# Altium PCB Shield.PcbDoc
Units mil, origin at the board's own origin, x right, y up, seen from the top; angles counter-clockwise.
Board outline 2700 x 2100 mil, 2 copper layers (Top Layer, Bottom Layer); 43 components, 53 nets, 193 pads, 95 vias.
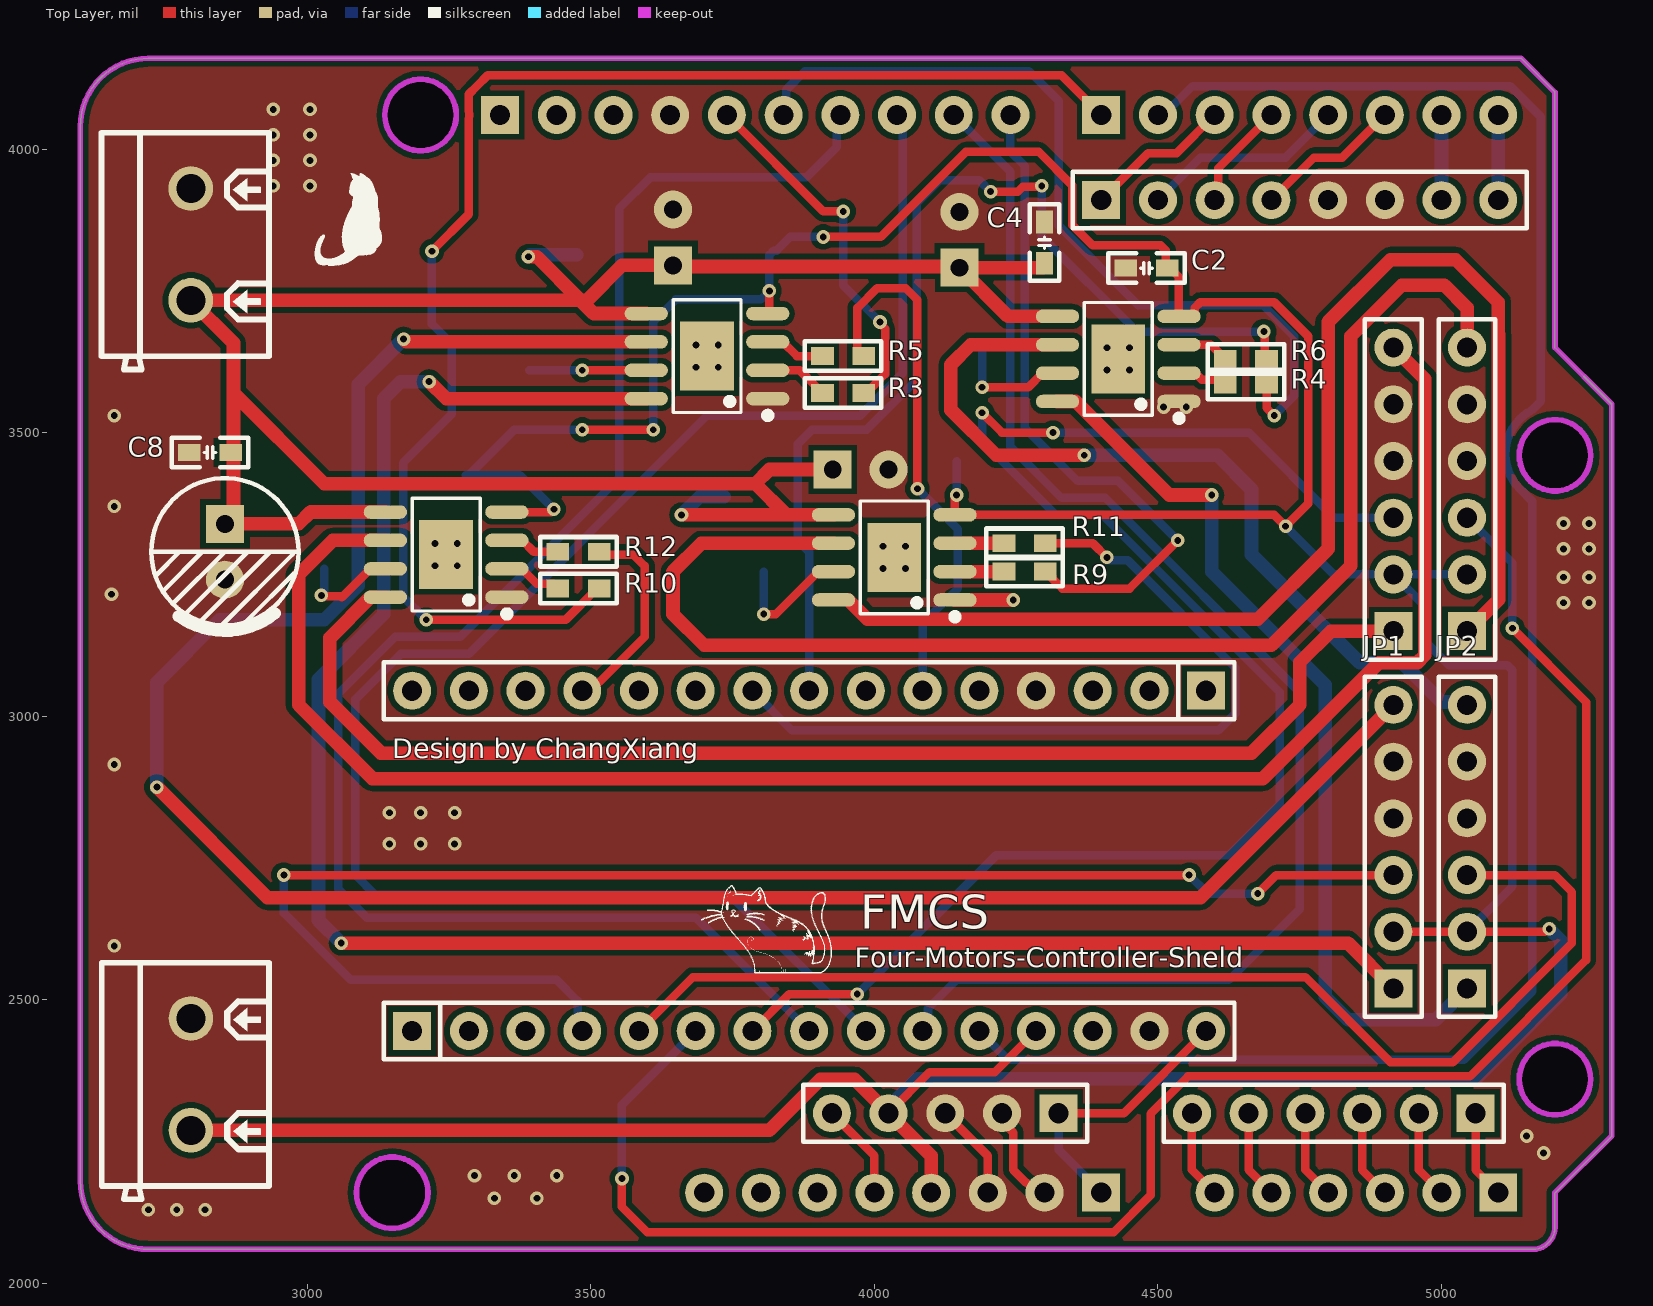
[diagram p0: Top Layer view]
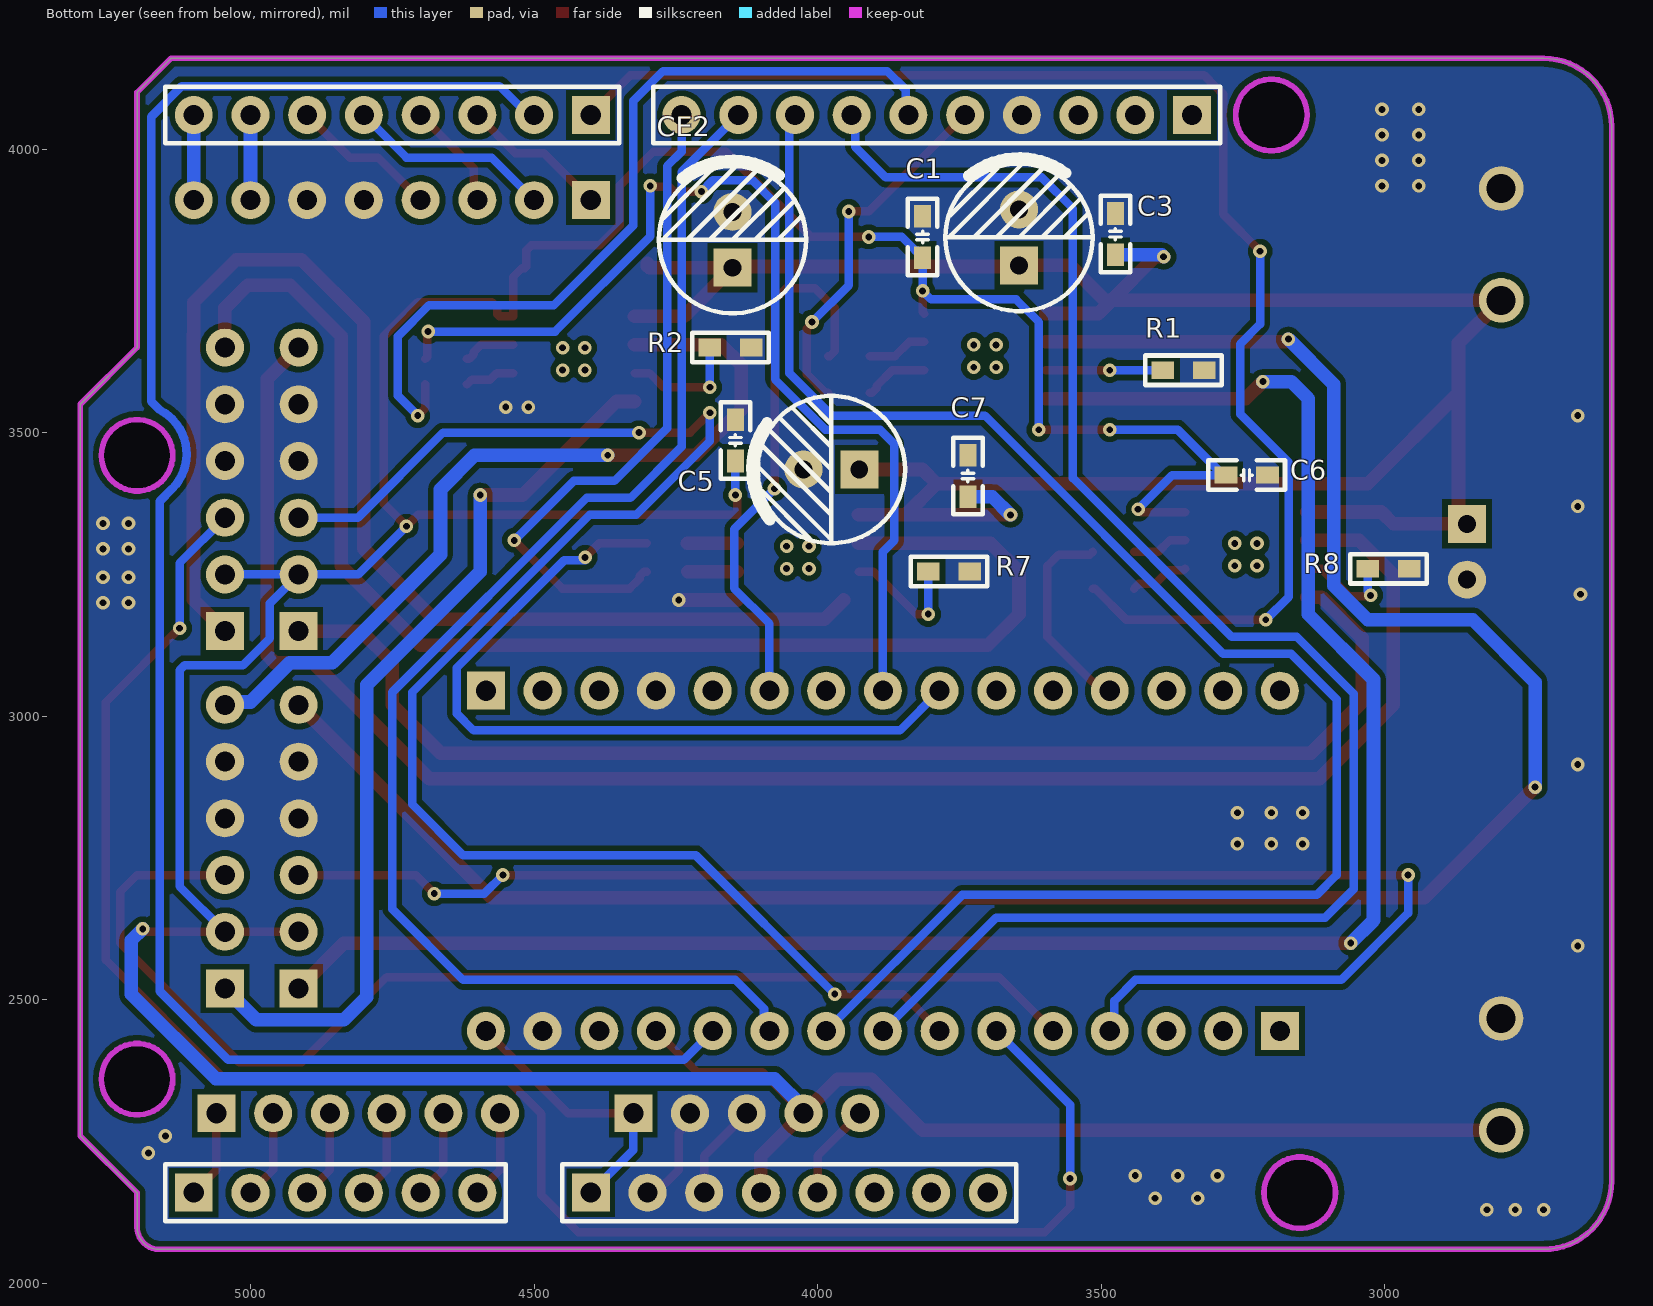
[diagram p1: Bottom Layer view, seen from below]

## Layer stack, top to bottom
Top Solder: solder mask 0.4, Solder Resist, Dk 3.5
Top Layer: signal copper 1.4
Dielectric 1: dielectric 12.6, FR-4, Dk 4.8
Bottom Layer: signal copper 1.4
Bottom Solder: solder mask 0.4, Solder Resist, Dk 3.5

## Board outline
2600,2180 2600,4040 cw(c2720,4040) 2720,4160 5140,4160 5200,4100 5200,3650 5300,3550 5300,2260 5200,2160 5200,2099.37 cw(c5160.63,2099.37) 5160.63,2060 2720,2060 cw(c2720,2180)
cut-out: 5137.01,2360 ccw(c5200,2360) 5200,2297.01 ccw(c5200,2360) 5262.99,2360 ccw(c5200,2360) 5200,2422.99 ccw(c5200,2360)
cut-out: 3200,3997.01 cw(c3200,4060) 3137.01,4060 cw(c3200,4060) 3200,4122.99 cw(c3200,4060) 3262.99,4060 cw(c3200,4060)
cut-out: 3087.01,2160 ccw(c3150,2160) 3150,2097.01 ccw(c3150,2160) 3212.99,2160 ccw(c3150,2160) 3150,2222.99 ccw(c3150,2160)
cut-out: 5137.01,3460 ccw(c5200,3460) 5200,3397.01 ccw(c5200,3460) 5262.99,3460 ccw(c5200,3460) 5200,3522.99 ccw(c5200,3460)

## Design rules (kind name [scope] priority, off if disabled: settings)
Clearance [All] p1: gap=10 ignorepadtopadclearanceinfootprint=TRUE except(0: Arc-Hole Track-Hole SMDPad-Hole THPad-Hole Via-Hole Fill-Hole Poly-Hole Region-Hole Text-Hole)
PolygonConnect [All] p1: connectstyle=Direct reliefconductorwidth=10 reliefentries=4 polygonreliefangle="90 Angle" airgapwidth=10
RoutingVias [All] p1: holewidth=12 width=24 viastyle="Through Hole" minholewidth=6 minwidth=10 maxholewidth=28 maxwidth=50
SolderMaskExpansion [All] p1: expansion=4 istentingtop=FALSE
Width [All] p1: maxlimit=30 minlimit=10 preferedwidth=15
30 further rules are at their usual default settings.

## Classes and differential pairs
component class MUNO2: C1 C2 C3 C4 C5 C6 C7 C8 CE2 JP1 JP2 R1 R2 R3 R4 R5 R6 R7 R8 R9 R10 R11 R12

## Components (designator, comment, footprint, x,y, rotation, side; value= is the part's Value field where it differs from the comment)
C1 "104" "C 0603_M" 3815,3845 r270 bottom
C2 "104" "C 0603_M" 4480,3790 r0 top
C3 "104" "C 0603_M" 3475,3850 r90 bottom
C4 "104" "C 0603_M" 4300,3835 r90 top
C5 "104" "C 0603_M" 4145,3486.5 r270 bottom
C6 "104" "C 0603_M" 3243.5,3425 r0 bottom
C7 "104" "C 0603_M" 3735,3423.5 r90 bottom
C8 "104" "C 0603_M" 2828.5,3465 r180 top
CE1 "220uF/16V" "CAP 2.5*6.3*7 - GD" 3645,3844.21 r90 bottom
CE2 "220uF/16V" "CAP 2.5*6.3*7 - GD" 4150,3840 r90 bottom
CE3 "220uF/16V" "CAP 2.5*6.3*7 - GD" 3975.79,3435 r0 bottom
CE4 "220uF/16V" "CAP 2.5*6.3*7 - GD" 2855,3290 r270 top
JP1 "HDR-1X6" HDR2.54-M-LI-6P 4915,2770 r90 top
JP2 "HDR-1X6" HDR2.54-M-LI-6P 5045,2770 r90 top
JP3 "HDR-1X10" HDR2.54-LI-10P 3790,4060 r0 bottom locked
JP4 "HDR-1X8" HDR2.54-LI-8P 4050,2160 r180 bottom locked
JP5 "HDR-1X6" HDR2.54-M-LI-6P 5045,3400 r90 top
JP6 "HDR-1X6" HDR2.54-M-LI-6P 4915,3400 r90 top
JP7 "HDR-1X6" HDR2.54-LI-6P 4850,2160 r180 bottom locked
JP8 "HDR-1X8" HDR2.54-LI-8P 4750,4060 r0 bottom locked
JP9 "HDR-1X6" HDR2.54-M-LI-6P 4810,2300 r180 top
JP10 "HDR-1X8" HDR2.54-M-LI-8P 4750,3910 r0 top
JP11 "HDR-1X5" HDR2.54-M-LI-5P 4125,2300 r180 top locked
JP12 "HDR-1X15" HDR2.54-M-LI-15P 3885,3045 r180 top locked
JP13 "HDR-1X15" HDR2.54-M-LI-15P 3885,2445 r0 top locked
P1 "WJ301V-5.0-2P" CONN-TH_2P-P5.00_WJ301V-5.00-2P 2785.17,2356.79 r90 top
P2 "WJ301V-5.0-2P" CONN-TH_2P-P5.00_WJ301V-5.00-2P 2785,3820 r90 top
R1 "0.25" "R 0603_M" 3355,3610 r0 bottom
R2 "0.25" "R 0603_M" 4153.5,3650 r0 bottom
R3 "22" "R 0603_M" 3945,3570 r180 top
R4 "22" "R 0603_M" 4655,3585 r180 top
R5 "22" "R 0603_M" 3945,3635 r180 top
R6 "22" "R 0603_M" 4655,3630 r180 top
R7 "0.25" "R 0603_M" 3768.5,3255 r0 bottom
R8 "0.25" "R 0603_M" 2993.5,3260 r0 bottom
R9 "22" "R 0603_M" 4265,3255 r180 top
R10 "22" "R 0603_M" 3478.5,3225 r180 top
R11 "22" "R 0603_M" 4265,3305 r180 top
R12 "22" "R 0603_M" 3478.5,3290 r180 top
U1 "A4950ELJTR-T" SOIC-8_L4.9-W3.9-P1.27-LS6.0-BL-EP 3705,3635 r90 top
U2 "A4950ELJTR-T" SOIC-8_L4.9-W3.9-P1.27-LS6.0-BL-EP 4430,3630 r90 top
U3 "A4950ELJTR-T" SOIC-8_L4.9-W3.9-P1.27-LS6.0-BL-EP 4035,3280 r90 top
U4 "A4950ELJTR-T" SOIC-8_L4.9-W3.9-P1.27-LS6.0-BL-EP 3245,3285 r90 top

## Footprints (in the part's own frame and the unit in brackets; to place one, negate y for a bottom-side part, rotate by r counter-clockwise, add the part's x,y. Pads: shape width x height; smd on the part's side, far side on the other; paste and mask are expansions set on the pad)
"C 0603_M" [mil] "无极性贴片电容                                淘宝ID:黄晶宝石"
  rect 40x30 smd: 1(-36.5,0) 2(36.5,0)
  silkscreen extent -68,-26 68,26, body extent -31,-16 31,16, height 32
"CAP 2.5*6.3*7 - GD" [mm] "脚距2.5mm直径6.3mm高度7mm             淘宝ID:黄晶宝石"
  rect 1.7x1.7 hole 0.8: 1(-1.25,0)
  round 1.7 hole 0.8: 2(1.25,0)
  silkscreen extent -3.3,-3.3 3.56,3.3, body extent -3.15,-3.15 3.16,3.15, height 7.04
CONN-TH_2P-P5.00_WJ301V-5.00-2P [mm]
  round 2 hole 1.3: 1(-2.204,-0.25) 2(2.804,-0.25)
  silkscreen extent -5.3,-3.88 5.3,3.75
HDR2.54-LI-6P [mm] "排针，6脚"
  rect 1.7x1.7 hole 0.9: 1(-6.35,0)
  round 1.7 hole 0.9: 2(-3.81,0) 3(-1.27,0) 4(1.27,0) 5(3.81,0) 6(6.35,0)
  silkscreen extent -7.62,-1.27 7.62,1.27, body extent -7.62,-1.27 7.62,1.27, height 8.5
HDR2.54-LI-8P [mm] "排针，8脚  淘宝ID:黄晶宝石   店铺网址:https://shop463601444.taobao.com"
  rect 1.7x1.7 hole 0.9: 1(-8.89,0)
  round 1.7 hole 0.9: 2(-6.35,0) 3(-3.81,0) 4(-1.27,0) 5(1.27,0) 6(3.81,0) 7(6.35,0) 8(8.89,0)
  silkscreen extent -10.16,-1.27 10.16,1.27, body extent -10.16,-1.27 10.16,1.27, height 8.5
HDR2.54-LI-10P [mm] "排针，10脚   淘宝ID:黄晶宝石   店铺网址:https://shop463601444.taobao.com"
  rect 1.7x1.7 hole 0.9: 1(-11.43,0)
  round 1.7 hole 0.9: 2(-8.89,0) 3(-6.35,0) 4(-3.81,0) 5(-1.27,0) 6(1.27,0) 7(3.81,0) 8(6.35,0) 9(8.89,0) 10(11.43,0)
  silkscreen extent -12.7,-1.27 12.7,1.27, body extent -12.7,-1.27 12.7,1.27, height 8.5
HDR2.54-M-LI-5P [mm] "排母，5脚   淘宝ID:黄晶宝石   店铺网址:https://shop463601444.taobao.com"
  rect 1.7x1.7 hole 0.9: 1(-5.08,0)
  round 1.7 hole 0.9: 2(-2.54,0) 3(0,0) 4(2.54,0) 5(5.08,0)
  silkscreen extent -6.35,-1.27 6.35,1.27, body extent -6.35,-1.27 6.35,1.27, height 8.5
HDR2.54-M-LI-6P [mm] "排母，6脚  淘宝ID:黄晶宝石   店铺网址:https://shop463601444.taobao.com"
  rect 1.7x1.7 hole 0.9: 1(-6.35,0)
  round 1.7 hole 0.9: 2(-3.81,0) 3(-1.27,0) 4(1.27,0) 5(3.81,0) 6(6.35,0)
  silkscreen extent -7.62,-1.27 7.62,1.27, body extent -7.62,-1.27 7.62,1.27, height 8.5
HDR2.54-M-LI-8P [mm] "排母，8脚"
  rect 1.7x1.7 hole 0.9: 1(-8.89,0)
  round 1.7 hole 0.9: 2(-6.35,0) 3(-3.81,0) 4(-1.27,0) 5(1.27,0) 6(3.81,0) 7(6.35,0) 8(8.89,0)
  silkscreen extent -10.16,-1.27 10.16,1.27, body extent -10.16,-1.27 10.16,1.27, height 8.5
HDR2.54-M-LI-15P [mm] "排母，15脚"
  rect 1.7x1.7 hole 0.9: 1(-17.78,0)
  round 1.7 hole 0.9: 2(-15.24,0) 3(-12.7,0) 4(-10.16,0) 5(-7.62,0) 6(-5.08,0) 7(-2.54,0) 8(0,0) 9(2.54,0) 10(5.08,0) 11(7.62,0) 12(10.16,0) 13(12.7,0) 14(15.24,0) 15(17.78,0)
  silkscreen extent -19.05,-1.27 19.05,1.27, body extent -19.05,-1.27 19.05,1.27, height 8.5
"R 0603_M" [mil] "1/10W贴片电阻                             淘宝ID:黄晶宝石"
  rect 40x31.5 smd: 1(-36.5,0) 2(36.5,0)
  silkscreen extent -68,-26 68,26, body extent -31,-16 31,16, height 16
SOIC-8_L4.9-W3.9-P1.27-LS6.0-BL-EP [mm]
  oval 0.602x1.941 smd mask+0.051: 1(-1.905,-2.721) 2(-0.635,-2.721) 3(0.635,-2.721) 4(1.905,-2.721) 5(1.905,2.721) 6(0.635,2.721) 7(-0.635,2.721) 8(-1.905,2.721)
  rect 3.098x2.41 smd mask+0.051: 9(0,0)
  silkscreen extent -2.81,-2.87 2.53,1.52

## Part data
C1 C2 C3 C4 C5 C6 C7 C8: library part C, "贴片电容", BOM名称=无极性贴片电容, 唯一出售店铺网址=https://shop463601444.taobao.com, 淘宝ID="封装库来自淘宝 ID：黄晶宝石", 联系售后，技术支持=https://shop463601444.taobao.com
CE1 CE2 CE3 CE4: library part CE, "直插电解电容", BOM名称=直插电解电容, 淘宝ID="封装库来自淘宝 ID：黄晶宝石", 联系售后=https://shop463601444.taobao.com
JP1 JP2 JP5 JP6 JP7 JP9: library part "Header 6", "6P接插件", BOM名称=6P接插件, 学习资源=https://shop463601444.taobao.com, 版权归属="封装库来自淘宝 ID：黄晶宝石"
JP3: library part "Header 10", "10P接插件", BOM名称=10P接插件, 学习资源=https://shop463601444.taobao.com, 版权归属=淘宝ID:黄晶宝石
JP4 JP8 JP10: library part "Header 8", "8P接插件", BOM名称=8P接插件, 学习资源=https://shop463601444.taobao.com, 版权归属="封装库来自淘宝 ID：黄晶宝石"
JP11: library part "Header 5", "5P接插件", BOM名称=5P接插件, 学习资源=https://shop463601444.taobao.com, 版权归属="封装库来自淘宝 ID：黄晶宝石"
JP12 JP13: library part "Header 15", "15P接插件", BOM名称=15P接插件, 学习资源=www.ooocke.com, 版权归属=源创客
P1 P2: Color=蓝色, Current Rating (Max)=17.5A, JLCPCB Part Class="Extended Part", LCSC Part Name="5mm 排数:1 每排P数:2 直针 可拼接", Manufacturer=KANGNEX(康奈克斯电气), Operating Temperature Range=-30℃~+120℃, Voltage Rating (Max)=250V, Add into BOM=yes, Convert to PCB=yes, Datasheet=https://atta.szlcsc.com/upload/public/pdf/source/20191225/C8475_44061C6AEE590DF3BFA2B6A28FAAB4F6.pdf, Device=WJ301V-5.0-2P, Manufacturer Part=WJ301V-5.0-2P, Mounting Style=直针, Name=WJ301V-5.0-2P, Number of PINs Per Row=2, Number of Rows=1, Pitch=5mm, Supplier=LCSC, Supplier Footprint=P=5mm, Supplier Part=C8475, Symbol=WJ301V-5.0-2P, Wire Gauge - AWG=14~22, Wire Gauge - mm?=1.5
R1 R2 R3 R4 R5 R6 R7 R8 R9 R10 R11 R12: library part R, "贴片电阻", BOM名称=贴片电阻, 封装库来自淘宝卖家 ID：黄晶宝石=其他店铺购入均为盗版，不享受售后技术支持服务，请立即申请退款, 版权归属="来自淘宝 ID：黄晶宝石", 联系售后=https://shop463601444.taobao.com
U1 U2 U3 U4: JLCPCB Part Class="Extended Part", Manufacturer=ALLEGRO(美国埃戈罗), Add into BOM=yes, Convert to PCB=yes, Datasheet=https://atta.szlcsc.com/upload/public/pdf/source/20161024/1477288450284.pdf, Device=A4950ELJTR-T, LCSC Part Name=A4950ELJTR-T, Manufacturer Part=A4950ELJTR-T, Name=A4950ELJTR-T, Supplier=LCSC, Supplier Footprint=SOIC-8_EP_150mil, Supplier Part=C82404, Symbol=A4950ELJTR-T

## Via types
v1: diameter 24, hole 12, Top Layer to Bottom Layer, 95 vias

## Nets (pads, with @x,y where several pads share a name; then routed paths per layer and width w, separated by ;. In a path a pad name is that pad's centre, name@x,y a point inside that pad or via, vN(x,y) a via of type N, cw(c..) or ccw(c..) an arc to the next point about the centre after c; other vN are vias at no path point)
3.3V: JP4.5 JP11.5 | length 171.1
  Top Layer w15: JP11.5 4000,2225 JP4.5
5V: C1.2 C2.2 C5.2 C6.2 JP1.2 JP2.2 JP4.4 JP5.2 JP6.2 JP11.4 JP13.12 P1.1 U1.4 U2.4 U3.4 U4.4 | length 8097.4
  Top Layer w15: U4.4 3430,3360 v1(3435,3365) ; v1(3485,3505) v1(3610,3505) ; U1.4 3815,3712.89 v1(3815,3750) ; v1(3910,3845) 4011.22,3845 4161.22,3995 4290,3995 4349.04,3935.96 4349.04,3865.96 4385,3830 4505,3830 4513.79,3821.21 4513.79,3792.71 C2.2 4521.5,3790 4537.11,3774.39 U2.4 4561.11,3705 4565.13,3709.02 4565.13,3720.51 4574.62,3730 4705,3730 4765,3670 4765,3375 v1(4725,3335) 4705,3355 U3.4 4142.11,3387.11 v1(4145,3390) ; JP11.4 4097.5,2372.5 4212.5,2372.5 JP13.12 ; JP1.2 JP2.2 5045.41,2619.59 5182.15,2619.59 5187.56,2625 v1(5190,2625)
  Top Layer w24: P1.1 3815,2270 3905,2360 3965,2360 JP11.4 4100,2225 JP4.4
  Bottom Layer w15: C6.2 C6.2@3285,3425 ; v1(3435,3365) 3375,3425 C6.2@3285,3425 ; v1(3485,3505) 3365,3505 C6.2@3285,3425 ; v1(3610,3505) 3610,3695 3650,3735 3800,3735 v1(3815,3750) C1.2 3815,3813.5 3822.5,3821 3827.5,3821 3851.5,3845 v1(3910,3845) ; v1(4145,3390) C5.2 ; v1(4725,3335) 4810,3250 JP6.2 ; JP2.2 5125,2700 5125,3081.21 5116.21,3090 5013.32,3090 4966.04,3137.28 4966.04,3198.96 JP6.2 ; JP5.2 JP6.2
  Bottom Layer w24: JP11.4 4025,2309.99 4075.96,2360.96 5060.96,2360.96 5210,2509.99 5210,2605 v1(5190,2625)
12V: C3.1 C4.1 C7.1 C8.1 CE1.1 CE2.1 CE3.1 CE4.1 P2.1 U1.5 U2.5 U3.5 U4.5 | length 4372.6
  Top Layer w24: U4.5 3006.04,3360 2985.25,3339.21 CE4.1 2870,3354.21 2870,3570 ; v1(3390,3810) 3405,3810 3481.79,3733.21 ; U1.5 3505,3710 3481.79,3733.21 ; v1(3660,3355) 3845,3355 ; CE3.1 3815,3435 3790,3410 ; U3.5 3845,3355 ; C4.1 4300,3793.79 4297,3790.79 CE2.1 ; U2.5 4235.79,3705 CE2.1 ; 2870,3570 2870,3658.04 P2.1 3481.79,3733.21 ; 2870,3570 3030,3410 3790,3410 ; 3481.79,3733.21 3493.21,3733.21 3555,3795 CE1.1 3647.11,3792.89 4147.89,3792.89 CE2.1 ; 3790,3410 3845,3355
  Bottom Layer w24: v1(3390,3810) 3393.5,3813.5 C3.1 ; v1(3660,3355) 3692,3387 C7.1
A1: JP1.3 JP13.4 | length 2688.8
  Top Layer w15: v1(2958.92,2720) v1(4555,2720) ; v1(4675.87,2687.21) 4708.67,2720 JP1.3
  Bottom Layer w15: v1(2958.92,2720) 2958.92,2653 3076.92,2535 3440,2535 3476.79,2498.21 3476.79,2453.21 JP13.4 ; v1(4555,2720) 4587.79,2687.21 v1(4675.87,2687.21)
A1O1: JP1.6 U1.6 | length 3910.1
  Top Layer w24: v1(2735,2875) 2930,2680 4575,2680 JP1.6 ; v1(3170,3665) 3175,3660 U1.6
  Bottom Layer w24: v1(2735,2875) 2735,3060 2845,3170 3030,3170 3090,3230 3090,3585 v1(3170,3665)
A1O2: JP2.6 U2.6 | length 1475.1
  Top Layer w24: U2.6 4170,3655 4135,3620 4135,3540 4215,3460 v1(4370,3460)
  Bottom Layer w24: v1(4370,3460) 4605,3460 4665,3400 4665,3285 4855.46,3094.54 4930.46,3094.54 4999.88,3025.12 5039.88,3025.12 JP2.6
A1O3: JP5.6 U3.6 | length 2388.2
  Top Layer w24: U3.6 3695,3305 3645,3255 3645,3180 3700,3125 4700,3125 4840,3265 4840,3670 4930,3760 5005,3760 5045,3720 JP5.6
A1O4: JP6.6 U4.6 | length 3102.7
  Top Layer w24: U4.6 3045,3310 2985,3250 2985,3020 3115,2890 4685,2890 4889.54,3094.54 4957.58,3094.54 4970.46,3107.42 4970.46,3594.54 JP6.6
A2: JP2.3 JP13.5 | length 2120.9
  Top Layer w15: JP13.5 3680,2540 4760,2540 4910,2390 5020,2390 5230,2600 5230,2690 5200,2720 JP2.3
A2O1: JP1.1 U1.8 | length 3400.1
  Top Layer w24: v1(3060,2600) 4835,2600 JP1.1 ; v1(3215,3590) 3245,3560 U1.8
  Bottom Layer w24: v1(3060,2600) 3020,2640 3020,3065 3135,3180 3135,3560 3165,3590 v1(3215,3590)
A2O2: JP2.1 U2.8 | length 1598
  Top Layer w24: U2.8 4355,3555 4520,3390 v1(4595,3390)
  Bottom Layer w24: v1(4595,3390) 4595,3255 4795,3055 4795,2505 4835.46,2464.54 4989.54,2464.54 JP2.1
A2O3: JP5.1 U3.8 | length 2291.1
  Top Layer w24: U3.8@3954.1,3204.85 3987.95,3171 4676,3171 4800,3295 4800,3695 4910,3805 5025,3805 5100,3730 5100,3673.44 5100.46,3672.97 5100.46,3205.46 JP5.1
A2O4: JP6.1 U4.8 | length 2286.1
  Top Layer w24: U4.8 3111.83,3210 3040,3138.17 3040,3025 3130,2935 4665,2935 4750,3020 4750,3095 4805,3150 JP6.1
A3: JP5.3 JP13.6 | length 3232.5
  Top Layer w15: v1(3555,2185) 3555,2135 3600,2090 4421.68,2090 4487.3,2155.62 4487.3,2299.38 4552.93,2365 5050,2365 5255,2570 5255,3025 v1(5125,3155)
  Bottom Layer w15: v1(3555,2185) 3555,2315 JP13.6 ; JP5.3 5125,3270 v1(5125,3155)
A4: JP6.3 JP13.7 | length 2852.8
  Top Layer w15: JP13.7 3850,2510 v1(3970,2510) ; v1(4190,3535) 4225,3500 v1(4315,3500)
  Bottom Layer w15: v1(3970,2510) 4215,2755 4625,2755 4715,2845 4715,3042.03 4402.03,3355 4320,3355 4190,3485 v1(4190,3535) ; v1(4315,3500) 4660.47,3500 4810.47,3350 JP6.3
D1: JP3.5 R3.1 | length 644.1
  Top Layer w15: JP3.5 3910,3890 v1(3945,3890) ; R3.1 3985.75,3570 4019,3603.25 4019,3683.56 4010,3692.56 v1(4010,3695)
  Bottom Layer w15: v1(3945,3890) 3945,3760 v1(4010,3695)
D2: JP3.6 R4.1 | length 1493.1
  Top Layer w15: R4.1 4691.5,3543.5 v1(4705,3530)
  Bottom Layer w15: JP3.6 3844.57,4064.57 3844.57,4104.57 3877.5,4137.5 4272.5,4137.5 4325,4085 4325,3865 4465,3725 4685,3725 4740,3670 4740,3565 v1(4705,3530)
D3: JP3.10 R9.1 | length 1197.8
  Top Layer w15: R9.1 4305.75,3255 4314,3246.75 4314,3242.5 4331.5,3225 4450,3225 v1(4535,3310)
  Bottom Layer w15: JP3.10 4240,3995.36 4265.5,3969.86 4265.5,3507.78 4358.28,3415 4430,3415 v1(4535,3310)
D4: JP8.1 R10.1 | length 2505.9
  Top Layer w15: v1(3210,3170) 3455.75,3170 3510.75,3225 R10.1 ; v1(3220,3820) 3285,3885 3285,4050.84 ccw(c3200,4060) 3285,4069.16 3285,4096.68 3299.29,4110.96 3318.32,4130 4330,4130 JP8.1
  Bottom Layer w15: v1(3210,3170) 3169.5,3210.5 3169.5,3447.25 3255,3532.75 3255,3656.28 3220,3691.28 v1(3220,3820)
DA0: JP7.6 JP9.6 | length 156.6
  Top Layer w15: JP9.6 4560,2200 JP7.6
DA1: JP7.5 JP9.5 | length 156.6
  Top Layer w15: JP9.5 4660,2200 JP7.5
DA2: JP7.4 JP9.4 | length 156.6
  Top Layer w15: JP9.4 4760,2200 JP7.4
DA3: JP7.3 JP9.3 | length 156.6
  Top Layer w15: JP9.3 4860,2200 JP7.3
DA4: JP7.2 JP9.2 | length 156.6
  Top Layer w15: JP9.2 4960,2200 JP7.2
DA5: JP7.1 JP9.1 | length 156.6
  Top Layer w15: JP9.1 5060,2200 JP7.1
DD5: JP8.4 JP10.3 | length 191.4
  Top Layer w15: JP10.3 4605.96,3915.96 4605.96,3965.96 JP8.4
DD6: JP8.6 JP10.4 | length 262.1
  Top Layer w15: JP10.4 4775,3985 4825,3985 JP8.6
DRX: JP8.8 JP10.8 | length 150
  Bottom Layer w24: JP10.8 JP8.8
DTX: JP8.7 JP10.7 | length 150
  Bottom Layer w24: JP10.7 JP8.7
GND: C1.1 C2.1 C3.2 C4.2 C5.1 C6.1 C7.2 C8.2 CE1.2 CE2.2 CE3.2 CE4.2 JP1.4 JP1.5 JP2.4 JP2.5 JP3.4 JP4.2 JP4.3 JP5.4 JP5.5 JP6.4 JP6.5 JP10.5 JP10.6 JP11.2 JP11.3 JP12.4 JP13.14 P1.2 P2.2 R1.1 R2.1 R7.1 R8.1 U1.1 U2.1 U3.1 U4.1 | length 453.8
  Top Layer w15: JP11.3 4200,2225 JP4.3 ; JP11.2 4225,2285.95 4245,2265.95 4245,2200 4267.93,2177.07 4268.88,2177.07 4285.95,2160 JP4.2
  Top Layer w24: U3.1 v1(4245,3205)
  other v1: 2720,2130 2770,2130 2820,2130 3330,2150 3405,2150 3295,2190 3365,2190 3440,2190 5180,2230 5150,2260 2660,2595 3145,2775 3200,2775 3260,2775 3145,2830 3200,2830 3260,2830 2660,2915 5215,3200 5260,3200 2655,3215 5215,3245 5260,3245 5215,3295 5260,3295 5215,3340 5260,3340 2660,3370 2660,3530 4510,3545 4550,3545 2940,3935 3005,3935 2940,3980 3005,3980 2940,4025 3005,4025 2940,4070 3005,4070
M1: JP3.7 JP13.8 | length 2893.6
  Bottom Layer w15: JP13.8 3685,2645 3105,2645 3055,2695 3055,3040 3155,3140 3270,3140 3550,3420 3550,3895 3605,3950 3880,3950 3934.04,4004.04 3934.04,4054.04 JP3.7
M2: JP3.8 JP13.9 | length 2986.2
  Bottom Layer w15: JP13.9 3745,2685 3120,2685 3085,2720 3085,3030 3165,3110 3285,3110 3705,3530 3975,3530 4050,3605 4050,4025.25 4049.94,4025.31 4049.94,4050.06 JP3.8
M3: JP3.9 JP13.10 | length 2469.6
  Bottom Layer w15: JP13.10 4094.57,2454.57 4094.57,2484.57 4145,2535 4625,2535 4750,2660 4750,3042.39 4407.39,3385 4330,3385 4240,3475 4240,3960 JP3.9
M4: JP8.2 JP13.11 | length 3347
  Bottom Layer w15: JP13.11 4235.96,2394.04 5039.04,2394.04 5160,2515 5160,3379.1 5138.09,3401.01 cw(c5199.5,3462.55) 5160,3540 5175,3555 5175,4057.07 5121.11,4110.96 4560.96,4110.96 4510,4060 JP8.2
NetR1_2: R1.2 U1.7 | length 206.4
  Top Layer w15: v1(3485,3610) U1.7
  Bottom Layer w15: R1.2 v1(3485,3610)
NetR2_2: R2.2 U2.7 | length 213.2
  Top Layer w15: v1(4190,3580) 4271.53,3580 4296.53,3605 U2.7
  Bottom Layer w15: v1(4190,3580) R2.2
NetR3_2: R3.2 U1.2 | length 115.4
  Top Layer w15: U1.2 3868.5,3610 3896,3582.5 3896,3578.25 3904.25,3570 R3.2
NetR4_2: R4.2 U2.2 | length 89.7
  Top Layer w15: U2.2 4565.82,3605 4577.57,3593.25 4610.25,3593.25 R4.2
NetR5_2: R5.2 U1.3 | length 106.7
  Top Layer w15: U1.3 3838.47,3660 3863.47,3635 R5.2
NetR6_2: R6.2 U2.3 | length 94.2
  Top Layer w15: U2.3 4593.5,3655 4606,3642.5 4606,3638.25 4614.25,3630 R6.2
NetR7_2: R7.2 U3.7 | length 229
  Top Layer w15: v1(3805,3180) 3826.53,3180 3901.53,3255 U3.7
  Bottom Layer w15: v1(3805,3180) R7.2
NetR8_2: R8.2 U4.7 | length 184
  Top Layer w15: v1(3025,3213.08) 3026.44,3211.64 3059.5,3211.64 3061.34,3209.81 3111.53,3260 U4.7
  Bottom Layer w15: v1(3025,3213.08) 3025,3215.52 3030,3220.52 R8.2
NetR9_2: R9.2 U3.2 | length 86.4
  Top Layer w24: U3.2 R9.2
NetR10_2: R10.2 U4.2 | length 104.4
  Top Layer w15: U4.2 3355.06,3257.05 3381.2,3257.05 3405,3233.25 3433.75,3233.25 R10.2
NetR11_2: R11.2 U3.3 | length 87.9
  Top Layer w24: U3.3 R11.2@4230,3305
NetR12_2: R12.2 U4.3 | length 98.2
  Top Layer w15: U4.3 3379.5,3310 3399.5,3290 R12.2
P1: JP12.6 R5.1 | length 965.2
  Top Layer w15: R5.1 3978.25,3635 3970,3643.25 3970,3720 4005,3755 4055,3755 4075.96,3734.04 v1(4075.96,3400.96)
  Bottom Layer w15: v1(4075.96,3400.96) 4147.25,3329.68 4147.25,3225.49 4085,3163.24 JP12.6
P2: JP12.8 R6.1 | length 1861.1
  Top Layer w15: v1(4205,3925) 4253,3925 4261.28,3933.28 4293.28,3933.28 v1(4295,3935) ; v1(4686.82,3678.29) 4688.54,3676.57 4688.54,3632.96 R6.1
  Bottom Layer w15: JP12.8 3885,3290 3865,3310 3865,3480 3890,3505 3986.21,3505 4075,3593.79 4075,3905 4115,3945 4185,3945 v1(4205,3925) ; v1(4295,3935) 4295,3846.1 4462.81,3678.29 v1(4686.82,3678.29)
P3: JP12.9 R11.1 | length 1396.7
  Top Layer w15: R11.1 4385,3305 v1(4410,3280)
  Bottom Layer w15: JP12.9 3855,2975 4606.68,2975 4635.96,3004.29 4635.96,3085.71 4446.68,3275 v1@4410,3275
P4: JP12.12 R12.1 | length 364.7
  Top Layer w15: JP12.12 3499.05,3045 3516.12,3062.07 3517.07,3062.07 3595,3140 3595,3265 3575,3285 3520,3285 R12.1
S1: JP8.3 JP10.1 | length 262.1
  Top Layer w15: JP10.1 4483.01,3993.01 4533.01,3993.01 JP8.3
S2: JP8.5 JP10.2 | length 362.1
  Bottom Layer w15: JP10.2 4575,3985 4725,3985 JP8.5
VIN: JP4.1 JP11.1 JP13.15 | length 491.1
  Top Layer w15: JP11.1 4440,2300 JP13.15
  Bottom Layer w15: JP11.1 4325,2235 JP4.1
pads on no net: JP3.1 JP3.2 JP3.3 JP4.6 JP4.7 JP4.8 JP12.1 JP12.2 JP12.3 JP12.5 JP12.7 JP12.10 JP12.11 JP12.13 JP12.14 JP12.15 JP13.1 JP13.2 JP13.3 JP13.13 U1.9 U2.9 U3.9 U4.9
copper on no net:
  other v1: 4015.32,3260.32 4054.69,3260.32 3225.32,3265.32 3264.69,3265.32 4015.32,3299.69 4054.69,3299.69 3225.32,3304.69 3264.69,3304.69 4410.32,3610.32 4449.69,3610.32 3685.32,3615.32 3724.69,3615.32 4410.32,3649.69 4449.69,3649.69 3685.32,3654.69 3724.69,3654.69

## Polygon pours and split planes (outlines as drawn)
GND on Bottom Layer "GND_L02_P000" (solid, remove dead copper, pour order 0): 2600,2180 2600,4040 cw(c2720,4040) 2720,4160 5140,4160 5200,4100 5200,3650 5300,3550 5300,2260 5200,2160 5200,2099.37 cw(c5160.63,2099.37) 5160.63,2060 2720,2060 cw(c2720,2180)
GND on Top Layer "GND_L01_P001" (solid, remove dead copper, pour order 1): 2600,2180 2600,4040 cw(c2720,4040) 2720,4160 5140,4160 5200,4100 5200,3650 5300,3550 5300,2260 5200,2160 5200,2099.37 cw(c5160.63,2099.37) 5160.63,2060 2720,2060 cw(c2720,2180)

## Keep-outs
Keep-Out Layer:
  circle w10: c5200,3460 r62.99
  circle w10: c5200,2360 r62.99
  circle w10: c3200,4060 r62.99
  circle w10: c3150,2160 r62.99
  lines w10: 2600,2180 ccw(c2720,2180) 2720,2060 5160.63,2060 ccw(c5160.63,2099.37) 5200,2099.37 5200,2160 5300,2260 5300,3550 5200,3650 5200,4100 5140,4160 2720,4160 ccw(c2720,4040) 2600,4040 2600,2180

## Silkscreen, mask and mechanical layers (free items; w line width, h text height)
Top Overlay:
  drawing of 9 lines, arcs and shapes, not listed
  text "Design by ChangXiang" at 3150,2914.82 h60
  text "FMCS" at 3975,2625 h60
  text "Four-Motors-Controller-Sheld" at 3965,2545.83 h60